# KiCad board sun3_60.kicad_pcb (continued)
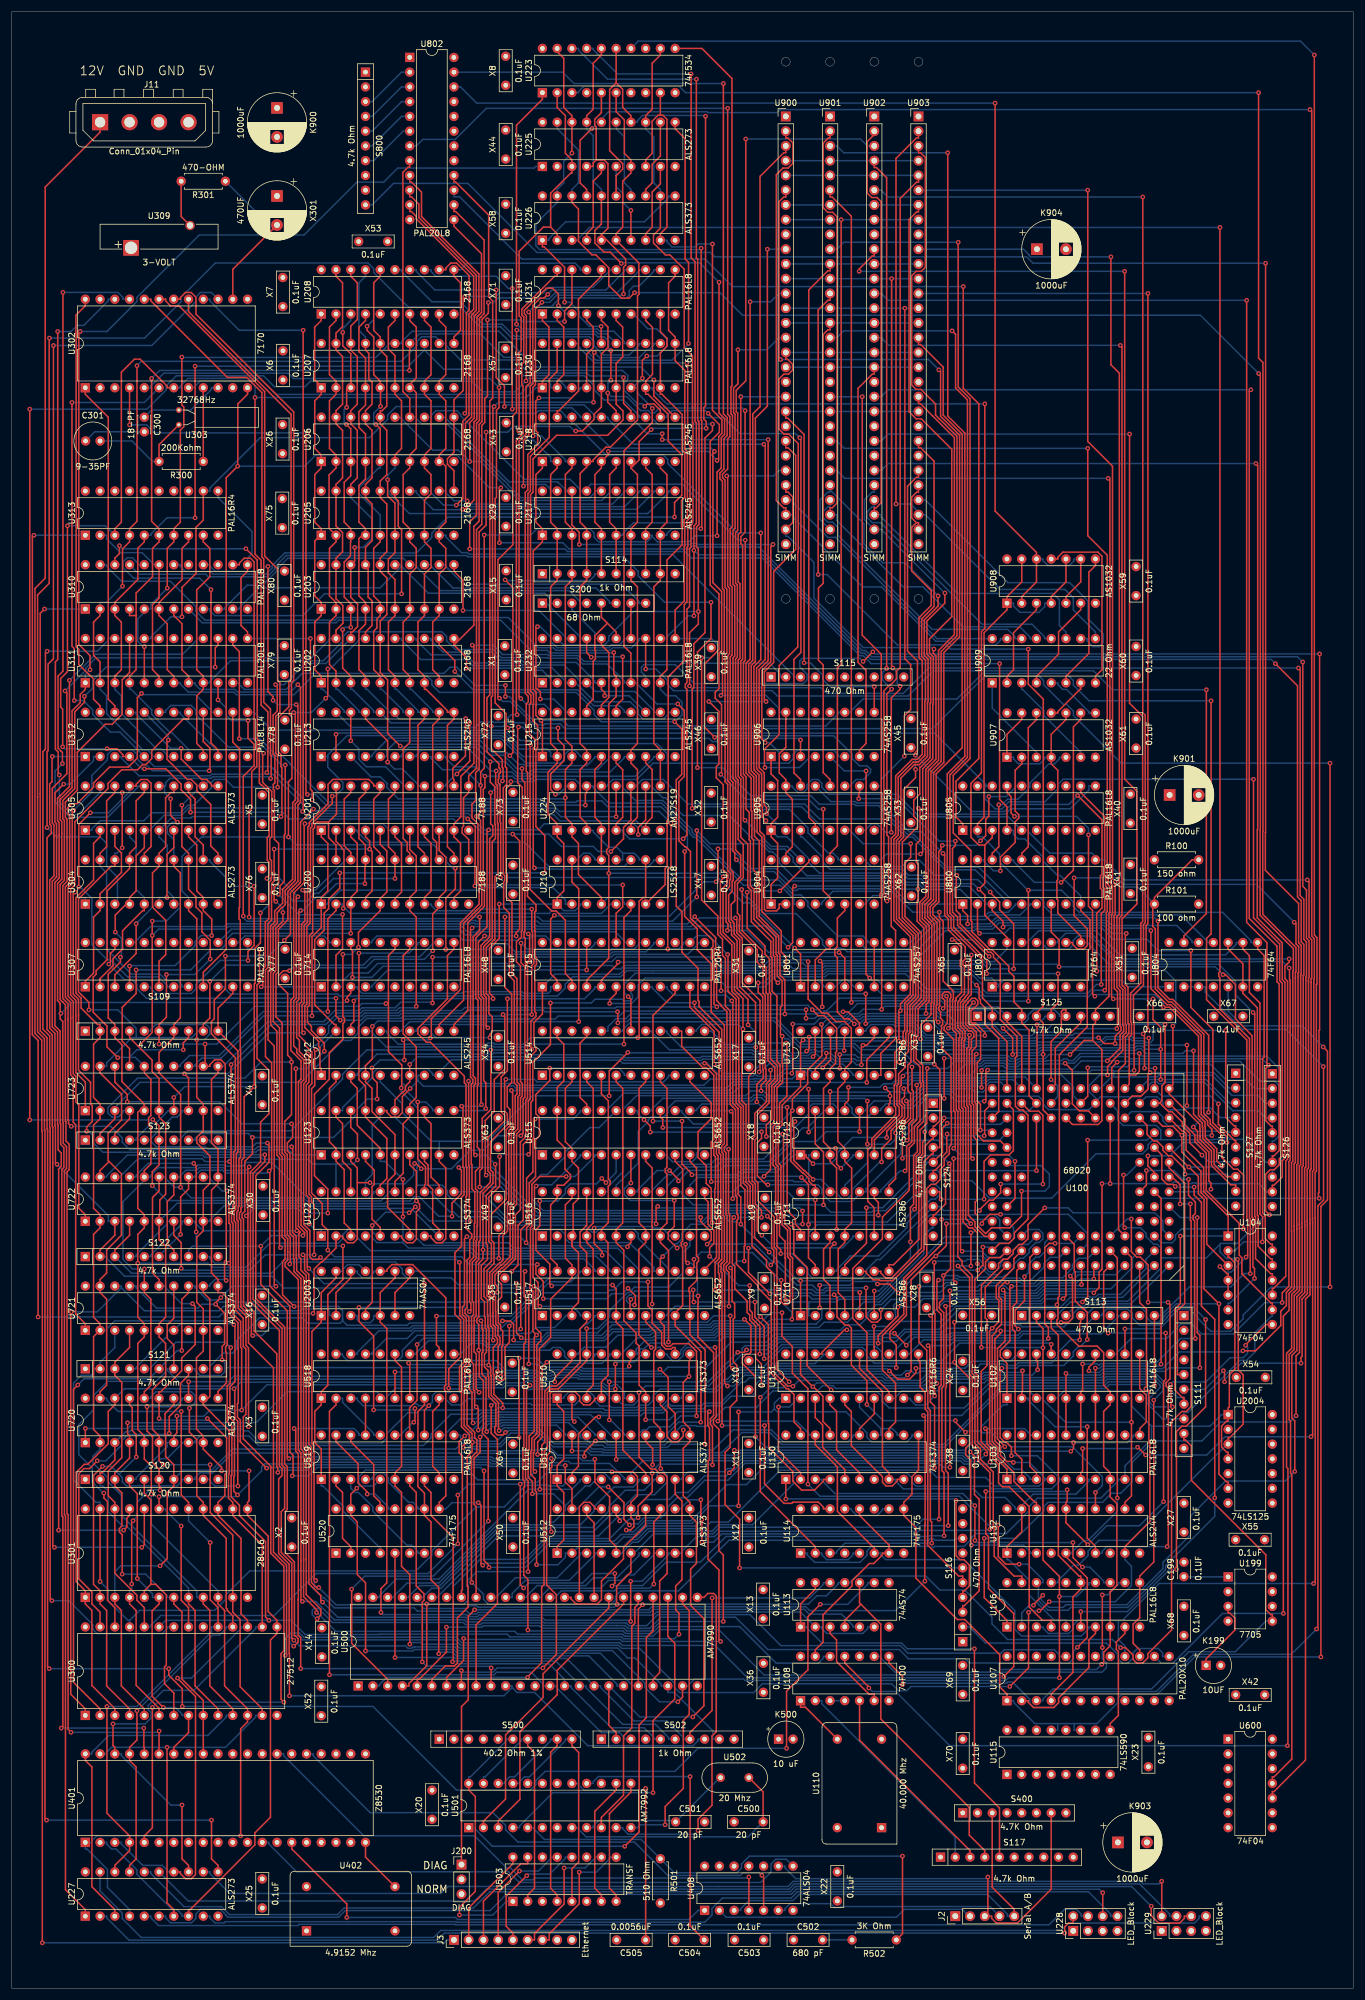
[diagram p0: board, top side]
## Routing (per net, layer and track width the routed paths; a pad name or vN(x,y) marks a point on that pad's centre or on a via; arc(x,y) is an arc through that point) (continued)
/SCSI 2, Parity/IO.D4: length 442
  Top w0.25: v1(25.4,162.59) S109.6 25.4,165.96 26.67,167.23 v1(26.67,174.57) ; U721.12 33.02,119.8 34.15,118.67 34.15,101.92 33.02,100.79 ; v1(29.33,203.72) 29.33,196.59 30.48,195.45 U304.13 30.48,189.24 31.75,187.97 31.75,186.2 32.78,185.18 32.78,181.91 34.22,180.48 v1(34.22,177.23) ; U720.12 33.02,100.79 ; 33.02,100.79 33.02,100.47 37.48,96.01 37.48,88.62 37.36,88.49 37.36,84.43 38.1,83.69 U301.14 38.1,81.43 43.18,76.35 U300.16 ; 33.58,158.76 33.33,159.01 v1(33.33,162.59) ; 33.58,158.76 34.15,158.76 34.15,159.04 34.99,159.89 36.06,159.89 36.8,159.14 36.8,137.6 v1(37.08,137.33) 36.98,137.23 36.98,131.59 36.98,131.59 36.98,125.48 36.68,125.18 36.68,122.17 v1(36.96,121.9) ; 33.58,158.76 U723.12 ; U227.13 30.48,21.18 29.35,22.31 v1(29.35,31.57) ; U122.12 73.66,138.29 72.25,139.7 72.25,148.89 71.12,150.01 U123.13 ; U302.19 26.53,290.84 26.53,290.56 27.37,289.71 28.82,289.71 43.59,274.94 43.59,246.63 45.82,244.4 45.82,225.18 46.21,224.78 46.21,219.74 45.5,219.03 45.5,212.72 45.82,212.4 v1(45.82,206.82) ; v1(17.46,45.54) 17.46,41.82 17.78,41.5 U401.38 ; 64.91,169.58 64.91,161.3 67.2,159.01 67.2,155.12 v1(67.12,155.04) ; 64.91,169.58 64.91,177.82 66.04,178.95 U714.15 ; 64.91,169.58 v1(64.47,169.58)
  Bottom w0.25: v1(29.33,203.72) 31.89,206.28 31.89,207.02 U305.12 33.71,207.71 34.48,207.71 34.93,208.16 36.87,208.16 38.21,206.82 v1(45.82,206.82) ; v1(67.12,155.04) 67.12,154.4 69.99,151.52 69.99,151.14 U123.13 ; v1(64.47,169.58) 60.33,169.58 59.85,169.1 41.87,169.1 35.37,162.59 v1(33.33,162.59) v1(25.4,162.59) ; v1(17.46,45.54) 23,45.54 24.03,46.58 24.03,47.48 23.51,48 23.51,48.68 26.15,51.31 31.41,51.31 42.05,61.96 42.05,62.24 U300.16 ; U722.12 34.15,139.7 34.15,139.42 36.24,137.33 v1(37.08,137.33) ; v1(26.67,174.57) 31.55,174.57 v1(34.22,177.23) ; v1(29.35,31.57) 27.43,31.57 18.91,40.09 18.91,40.38 U401.38 ; v1(36.96,121.9) 36.81,122.05 35.03,122.05 34.15,121.17 34.15,120.93 U721.12
/SCSI 2, Parity/IO.D5: length 445.3
  Top w0.25: v1(25.4,98.13) 25.4,100.47 25.4,100.47 U720.15 25.4,102.73 25.68,102.73 29.29,106.34 29.29,108.53 31.62,110.85 31.62,117.44 v1(31.16,117.9) ; U122.15 66.04,138.92 67.45,140.34 67.45,148.89 68.58,150.01 U123.14 68.58,152.27 69.71,153.39 69.71,162.11 67.45,164.37 67.45,177.82 68.58,178.95 U714.14 ; v1(28.57,200.8) 27.38,201.98 v1(27.38,204.83) ; U304.14 27.94,193.19 29.07,192.07 29.07,167.09 27.94,165.96 S109.7 27.94,163.71 25.4,161.17 U723.15 25.4,157.63 29.11,153.92 v1(29.11,137.94) ; U302.20 23.99,290.84 23.99,290.56 37.17,277.37 40.51,277.37 43.12,274.76 43.12,246.46 43.43,246.15 43.43,221.44 44.59,220.28 44.59,212.34 44.72,212.22 44.72,208.41 v1(44.62,208.32) ; U722.15 25.4,137.31 24.27,136.19 24.27,123.18 25.4,122.05 U721.15 ; v1(28.59,53.43) 28.59,53.36 31.68,50.28 31.68,19.6 30.99,18.9 29.94,18.9 29.07,19.77 29.07,20.06 U227.14 ; U300.17 40.64,63.37 39.51,64.49 39.51,77.48 35.56,81.43 U301.15 35.56,83.69 36.74,84.86 36.74,88.51 37.03,88.8 37.03,94.8 v1(33.72,98.11)
  Bottom w0.25: U401.3 18.91,25.13 18.91,24.85 22.58,21.18 25.97,21.18 26.81,20.34 26.81,20.06 U227.14 ; v1(31.16,117.9) 29.27,117.9 26.53,120.64 26.53,120.93 U721.15 ; v1(28.57,200.8) 27.68,200.8 26.81,199.93 26.81,198.93 27.94,197.81 U304.14 ; U122.15 64.91,137.16 64.91,136.88 63.61,135.57 50.83,135.57 50.3,136.1 30.95,136.1 v1(29.11,137.94) 28,137.94 26.53,139.42 26.53,139.7 U722.15 ; v1(44.62,208.32) 44.33,208.61 34.66,208.61 34.38,208.34 27.26,208.34 26.53,207.6 26.53,207.02 26.35,207.02 ; U305.15 26.35,207.02 ; 26.35,207.02 26.35,205.86 v1(27.38,204.83) ; U300.17 39.51,62.24 39.51,61.96 30.99,53.43 v1(28.59,53.43) ; v1(25.4,98.13) 25.69,97.83 33.45,97.83 v1(33.72,98.11)
/SCSI 2, Parity/IO.D6: length 460.3
  Top w0.25: v1(8.84,292.02) 8.84,226.8 7.99,225.95 7.99,213.54 8.49,213.05 8.75,212.78 v1(8.75,210.88) ; S109.8 30.48,163.71 29.57,162.8 v1(29.57,161.61) ; U723.16 22.86,157.63 23.99,156.51 23.99,150.28 23.6,149.89 23.6,148.64 23.99,148.25 23.99,141.95 22.86,140.83 U722.16 ; U122.16 63.5,138.29 64.64,139.43 64.64,146.33 60.96,150.01 U123.17 60.96,155.33 59.83,156.47 v1(59.83,178.25) ; v1(18.28,160.25) 16.42,162.11 16.42,165.69 14.05,168.06 14.05,174.11 14.56,174.62 14.56,175.23 16.47,177.14 16.47,188.97 20.32,192.83 U304.17 20.32,195.45 21.45,196.58 21.45,204.48 22.86,205.89 U305.16 ; U720.16 22.86,102.73 23.99,103.85 23.99,118.67 22.86,119.8 U721.16 v1(22.86,123.87) ; v1(21.59,47.8) 21.59,42.77 20.32,41.5 U401.37 20.32,39.25 21.45,38.12 21.45,22.31 20.32,21.18 U227.17 ; v1(30.63,99.89) 30.63,95.76 31.89,94.49 31.89,84.81 33.02,83.69 U301.16 33.02,81.43 36.97,77.48 36.97,65.46 37.14,65.3 37.14,65.1 38.1,64.14 U300.18
  Bottom w0.25: v1(18.28,160.25) 18.33,160.3 20.27,160.3 ; v1(21.59,47.8) 34.62,60.83 35.85,60.83 36.97,61.96 36.97,62.24 U300.18 ; v1(29.57,161.61) 21.57,161.61 20.27,160.3 ; v1(22.86,123.87) 20.84,123.87 19.19,125.52 19.19,135.47 23.42,139.7 ; v1(8.75,210.88) 7.48,209.61 7.48,204.3 10.12,201.66 16.59,201.66 21.73,206.81 21.73,207.02 U305.16 ; U722.16 23.42,139.7 ; 23.42,139.7 23.99,139.7 23.99,139.98 25.33,141.32 31.68,141.32 32.13,141.78 36.73,141.78 36.92,141.59 39.82,141.59 40.44,142.21 44.84,142.21 51.02,136.03 61.52,136.03 62.37,136.88 62.37,137.16 U122.16 ; 20.27,160.3 21.32,160.3 U723.16 ; v1(59.83,178.25) 68.45,178.25 69.99,179.79 69.99,180.08 U714.13 ; v1(8.84,292.02) 18.3,292.02 19.19,291.12 19.19,290.84 U302.21 ; v1(30.63,99.89) 31.61,100.87 31.61,102.08 30.96,102.73 24.83,102.73 23.99,101.88 23.99,101.6 U720.16
/SCSI 2, Parity/IO.D7: length 471.7
  Top w0.25: U720.19 15.24,102.73 16.37,103.85 16.37,118.67 15.24,119.8 U721.19 15.24,122.05 16.37,123.18 16.37,127.13 18.91,129.67 18.91,140.24 16.78,142.37 ; v1(13.31,168.48) 13.31,169.78 11.98,171.12 11.53,171.57 11.53,187.59 17.13,193.19 17.78,193.19 U304.18 ; v1(16.42,48.53) 16.42,30.16 20.32,26.26 U401.4 20.32,23.72 17.78,21.18 U227.18 ; U301.17 30.48,83.69 29.22,84.94 v1(29.22,99.33) ; v1(19.05,196.39) v1(19.05,205.89) ; 16.78,142.37 15.24,140.83 U722.19 ; 16.78,142.37 16.63,142.53 16.63,147.23 18.94,149.54 18.94,153.93 15.24,157.63 U723.19 ; v1(7.94,285.28) 7.94,228.8 7.54,228.41 7.54,213.35 8.03,212.87 8.03,209.11 v1(8.22,208.92) ; U123.18 58.42,148.25 59.57,147.1 v1(59.57,142.65) ; U300.19 35.56,65.55 34.2,66.91 v1(34.2,76.76) ; v1(34.15,173.39) 34.15,167.09 33.02,165.96 S109.9
  Bottom w0.25: v1(19.05,196.39) 18.11,195.45 17.78,195.45 U304.18 ; U302.22 16.65,290.84 16.65,290.56 12.43,286.33 11.3,286.33 10.24,285.28 v1(7.94,285.28) ; 21.46,163.7 21.46,165.31 18.29,168.48 v1(13.31,168.48) ; 21.46,163.7 31.04,163.7 31.89,164.55 31.89,164.84 S109.9 ; 21.46,163.7 20.71,163.7 16.37,159.37 16.37,158.76 U723.19 ; v1(8.22,208.92) 8.22,204.28 10.39,202.11 11.46,202.11 15.24,205.89 ; v1(59.57,142.65) 58.85,141.92 55.88,141.92 ; v1(34.15,173.39) 36.95,176.19 60.57,176.19 62.02,177.64 70.31,177.64 72.53,179.86 72.53,180.08 U714.12 ; v1(34.2,76.76) 30.48,80.48 U301.17 ; 15.24,205.89 U305.19 ; 15.24,205.89 v1(19.05,205.89) ; 55.88,141.92 U122.19 ; 55.88,141.92 51.89,141.92 51.08,142.74 43.37,142.74 43.01,143.09 33.24,143.09 32.84,143.5 19.96,143.5 16.37,139.9 16.37,139.7 U722.19 ; U720.19 16.37,101.6 16.37,101.32 18.35,99.33 v1(29.22,99.33) ; U300.19 34.43,62.24 34.43,61.39 21.58,48.53 v1(16.42,48.53)
/SCSI 2, Parity/PAR0-: length 42.8
  Top w0.25: U715.11 116.84,168.97 121.01,164.8 v1(121.01,159.14)
  Bottom w0.25: U713.5 144.94,157.22 144.94,157.41 143.19,159.16 141.71,159.16 141.16,159.7 130.12,159.7 129.67,159.25 129.19,159.25 127.47,157.53 122.62,157.53 v1(121.01,159.14)
/SCSI 2, Parity/PAR1-: length 74.4
  Top w0.25: v1(117.19,140.08) 117.19,140.24 115.49,141.95 v1(115.49,149.33) ; v1(141.93,144.65) 142.12,144.46 142.12,141.94 v1(142.84,141.21) ; U715.10 114.3,171.33 110.48,167.51 v1(110.48,149.33)
  Bottom w0.25: v1(142.84,141.21) 144.94,143.31 144.94,143.52 U712.5 ; v1(117.19,140.08) 124.95,140.08 125.87,141 131.32,141 134.97,144.65 v1(141.93,144.65) ; v1(115.49,149.33) v1(110.48,149.33)
/SCSI 2, Parity/PAR2-: length 75.7
  Top w0.25: v1(125.6,131.58) 125.6,136.26 125.16,136.7 125.16,151.47 125.13,151.5 124.23,152.4 124.23,169.85 v1(124.06,170.03)
  Bottom w0.25: U711.5 144.94,129.54 144.94,129.31 143.12,127.5 129.69,127.5 v1(125.6,131.58) ; U715.9 112.89,172.46 112.89,172.17 114.04,171.02 123.07,171.02 v1(124.06,170.03)
/SCSI 2, Parity/PAR3-: length 91.1
  Top w0.25: U710.5 146.06,116.97 146.11,117.02 v1(146.11,119.83) ; v1(117.62,169.71) 117.62,168.91 121.87,164.66 121.87,157.96 121.87,157.95 121.87,151.44 121.87,151.44 121.87,145.82 121.41,145.36 121.41,143.64 121.7,143.36 121.7,132.7 121.88,132.52 121.88,131.51 121.88,131.5 121.88,131.44 121.88,125.67 121.19,124.98 v1(121.19,120.22)
  Bottom w0.25: U715.8 110.35,172.46 110.35,172.27 112.9,169.71 v1(117.62,169.71) ; v1(121.19,120.22) 130.22,120.22 130.32,120.32 137.97,120.32 138.51,119.77 140,119.77 140.39,120.16 145.78,120.16 v1(146.11,119.83)
/SCSI 2, Parity/PAR.CHK-: length 34.9
  Bottom w0.25: U715.23 92.85,180.08 92.85,180.33 91.98,181.2 89.67,181.2 89.24,180.78 87.52,180.78 87.22,180.48 77.79,180.48 77.07,181.2 62.93,181.2 62.09,180.36 62.09,180.08 U714.17
/SCSI 2, Parity/PAR.ERR-: length 44.1
  Top w0.25: U715.21 v1(99.06,175.35)
  Bottom w0.25: v1(99.06,175.35) 64.81,175.35 62.09,172.64 62.09,172.46 U714.4
/SCSI 2, Parity/PAR.IRQ-: length 18.9
  Bottom w0.25: U307.14 39.23,180.08 39.23,180.26 40.17,181.2 53.81,181.2 54.75,180.26 54.75,180.08 U714.19
/SCSI 2, Parity/PAR.SAMPLE: length 150.9
  Top w0.25: U720.11 35.56,102.8 37,104.24 37,109.48 36.86,109.62 36.86,110.49 37.14,110.76 37.14,118.9 36.24,119.8 35.56,119.8 U721.11 35.56,122.05 34.43,123.18 34.43,137.45 35.56,138.57 U722.11 35.56,144.47 34.43,145.59 34.43,156.51 35.56,157.63 U723.11 ; v1(72.51,169.66) v1(72.51,177.56)
  Bottom w0.25: U715.16 110.63,180.08 110.63,179.81 109.31,178.49 103.61,178.49 103.16,178.04 86.45,178.04 85.96,177.56 v1(72.51,177.56) ; U723.11 36.69,158.76 36.69,159.01 44.14,166.47 53.77,166.47 55.69,168.38 59.93,168.38 60.38,168.84 66.07,168.84 67.05,169.82 72.35,169.82 v1(72.51,169.66)
/SCSI 2, Parity/PAR.TEST-: length 155.3
  Top w0.25: v1(58.72,174.08) 58.72,178.65 58.42,178.95 U714.18 ; v1(137.21,176.78) 137.21,170.34 139.62,167.93 140.53,167.93 141.97,166.49 143.47,166.49 144.66,165.3 144.66,159.47 143.53,158.34 U713.4 143.53,156.09 142.33,154.89 142.33,145.84 143.53,144.65 U712.4 143.53,142.39 144.7,141.22 144.7,131.84 143.53,130.67 U711.4 143.53,128.41 142.4,127.29 142.4,119.76 143.53,118.63 U710.4
  Bottom w0.25: v1(137.21,176.78) 136.9,177.09 130.55,177.09 129.6,176.13 105.57,176.13 104.97,175.53 103.99,175.53 103.4,176.12 97.51,176.12 97.37,175.98 63.96,175.98 62.06,174.08 v1(58.72,174.08)
/SCSI 2, Parity/RD.PAR0-: length 142.6
  Top w0.25: v1(47.14,210.66) 47.14,198.73 46.96,198.55 46.96,190.57 46.23,189.84 46.23,188.66 v1(45.96,188.38) ; U714.2 55.88,177.88 57.01,179.01 v1(57.01,184.92)
  Bottom w0.25: U312.19 26.53,219.72 26.53,220 27.42,220.9 30.94,220.9 31.75,220.09 31.75,219.34 37.38,213.72 43.44,213.72 46.5,210.66 v1(47.14,210.66) ; v1(45.96,188.38) 49.48,184.86 56.95,184.86 v1(57.01,184.92) ; U715.13 118.25,180.08 118.25,179.83 116.47,178.04 103.79,178.04 103.34,177.59 86.93,177.59 85.82,176.48 63.07,176.48 61.42,174.83 58.44,174.83 57.01,173.39 57.01,172.46 U714.2
/SCSI 2, Parity/RD.PAR4-: length 80.5
  Top w0.25: U312.17 30.48,218.59 29.63,218.59 24.13,213.1 24.13,211.73 23.11,210.71 22.57,210.71 21.69,209.83 18.97,209.83 16.61,207.47 16.61,206.59 10.9,200.88 10.9,190.03 10.17,189.31 10.17,171.01 11.07,170.11 11.07,167.42 11.07,167.41 11.07,157.67 12.7,156.05 U723.1
/SCSI 2, Parity/RD.PAR5-: length 114.8
  Top w0.25: v1(10.7,202.84) 10.45,202.59 10.45,190.22 9.72,189.49 9.72,170.82 10.62,169.92 10.62,167.23 10.62,167.23 10.62,157.48 11.06,157.04 11.06,152.65 11.57,152.14 11.57,134.33 12.7,133.21 U722.1 ; U312.16 33.02,214.69 34.17,213.54 34.17,209.79 v1(34.03,209.65)
  Bottom w0.25: v1(10.7,202.84) 13.83,205.97 13.83,208.85 16.51,211.54 16.51,212.43 17.34,213.26 20.82,213.26 21.59,212.49 21.59,211.76 22.64,210.71 23.18,210.71 24.24,209.65 v1(34.03,209.65)
/SCSI 2, Parity/RD.PAR6-: length 133.8
  Top w0.25: v1(22.38,222.97) 21.66,222.25 21.66,211.85 20.09,210.28 16.86,210.28 14.11,207.53 14.11,206.83 11.27,203.99 10.39,203.99 9.72,203.32 9.72,202.14 9.99,201.87 9.99,198.27 10,198.27 10,190.41 9.27,189.68 9.27,170.63 10.17,169.73 10.17,167.04 10.17,167.04 10.17,157.3 10.61,156.85 10.61,149.12 11.03,148.7 11.03,116.1 12.7,114.43 U721.1
  Bottom w0.25: v1(22.38,222.97) 22.6,222.75 31.68,222.75 34.43,220 34.43,219.72 U312.15
/SCSI 2, Parity/RD.PAR7-: length 155.5
  Top w0.25: v1(12.7,96.41) U720.1 ; v1(40.8,96.71) 40.8,110.29 40.35,110.74 40.35,115.81 39.04,117.12 39.04,132.09 38.79,132.34 38.79,133.69 39.04,133.94 39.04,134.53 39.16,134.65 39.16,142.78 39.44,143.05 39.44,161.59 39.39,161.64 39.39,183.95 39.18,184.16 39.18,186.03 39.27,186.12 39.27,213.41 38.1,214.58 U312.14
  Bottom w0.25: v1(40.8,96.71) 40.72,96.79 20.45,96.79 20.07,96.41 v1(12.7,96.41)
/SCSI 2, Parity/WR.PAR0-: length 70.8
  Top w0.25: v1(43,172.46) 43.27,172.73 43.27,175.52 43.7,175.95 43.7,183.58 44.32,184.2 44.32,190.42 44.71,190.81 44.71,191.26 44.77,191.32 44.77,194.17 44.48,194.46 44.48,197.96 44.81,198.3 44.81,206.09 43.24,207.66 43.24,212.5 v1(43.41,212.67)
  Bottom w0.25: v1(43,172.46) U714.1 ; U312.18 29.07,219.72 29.07,219.44 35.24,213.26 42.82,213.26 v1(43.41,212.67)
/SCSI 2, Parity/WR.PAR4-: length 96.2
  Top w0.25: v1(89.41,214.12) 89.32,214.03 89.32,189.23 93.05,185.5 93.8,185.5 95.39,183.91 95.39,174.71 96.52,173.58 U715.3
  Bottom w0.25: U312.13 41.77,219.72 44.83,216.65 63.87,216.65 63.92,216.61 84.85,216.61 87.33,214.12 v1(89.41,214.12)
/SIMMs 1/CE00-: length 15.8
  Top w0.25: U909.2 171.47,225.91 172.59,227.04 172.59,233.42 176.55,237.37 U908.3
/SIMMs 1/CE01-: length 16.9
  Top w0.25: U909.4 176.55,225.91 180.35,229.72 180.35,233.56 184.16,237.37 U908.6
/SIMMs 1/CE02-: length 23.4
  Top w0.25: U909.6 181.62,225.91 185.58,229.87 185.58,243.86 186.71,244.99 U908.8
/SIMMs 1/CE03-: length 32
  Top w0.25: U909.8 186.71,225.91 187.83,227.04 187.83,246.59 187.14,247.29 181.1,247.29 180.21,246.4 180.21,246.12 U908.11
/SIMMs 1/M.A0.0: length 168.3
  Top w0.25: v1(150.74,227.28) 150.74,311.76 148.97,313.52 148.6,313.52 U902.4 ; v1(150.8,187.22) 151.07,187.48 151.07,198.3 150.78,198.59 150.78,222.89 v1(151.6,223.71)
  Bottom w0.25: v1(150.74,227.28) 150.02,226.57 150.02,225.28 v1(151.6,223.71) ; v1(150.8,187.22) 151.1,187.51 151.1,188.51 150.72,188.89 141.48,188.89 139.57,186.98 139.57,186.7 U904.4 ; U900.4 U901.4 U902.4 U903.4
/SIMMs 1/M.A1.0: length 154.7
  Top w0.25: U903.5 156.22,310.98 155.86,310.98 153.08,308.2 153.08,227.45 152.42,226.79 152.42,225.46 151.38,224.43 151.27,224.43 150.26,223.42 150.26,188.23 v1(150.33,188.16)
  Bottom w0.25: U900.5 U901.5 U902.5 U903.5 ; v1(150.33,188.16) 148.37,188.16 147.19,186.98 147.19,186.7 U904.7
/SIMMs 1/M.A2.0: length 150.2
  Top w0.25: U903.7 156.22,305.9 155.92,305.9 154.59,304.57 154.59,271.48 155.82,270.25 156.71,270.25 161.95,265 161.95,236.19 158.12,232.36 158.12,229.9 158.78,229.25 158.78,221.15 158.67,221.05 158.67,211.72 158.24,211.29 158.24,211.29 156.94,210 156.94,195.69 v1(156.57,195.32)
  Bottom w0.25: U903.7 U902.7 U901.7 U900.7 ; v1(156.57,195.32) 150.73,195.32 149.73,194.32 U904.9
/SIMMs 1/M.A3.0: length 133.9
  Top w0.25: v1(142.9,304.54) 142.9,228 142.25,227.36 142.25,196.72 140.99,195.45 U904.12
  Bottom w0.25: U900.8 U901.8 v1(142.9,304.54) U902.8 U903.8
/SIMMs 1/M.A4.0: length 122.6
  Top w0.25: U905.4 138.44,200.53 137.32,201.65 137.32,292.44 140.62,295.74 140.99,295.74 U901.11
  Bottom w0.25: U900.11 U901.11 U902.11 U903.11
/SIMMs 1/M.A5.0: length 126.1
  Top w0.25: v1(151.54,199.05) 151.54,222.19 153.06,223.71 v1(153.06,224.22) ; v1(151.81,227.36) 151.59,227.57 v1(151.59,294.38)
  Bottom w0.25: U900.12 U901.12 U902.12 v1(151.59,294.38) U903.12 ; v1(153.06,224.22) 152.56,224.73 152.56,226.61 v1(151.81,227.36) ; v1(151.54,199.05) 150.55,199.05 149.07,200.53 148.14,200.53 147.19,199.58 147.19,199.4 U905.7
/SIMMs 1/M.A6.0: length 108.8
  Top w0.25: v1(153.79,212.17) 153.79,219.1 154.87,220.18 154.87,227.93 153.87,228.93 v1(153.87,289.3)
  Bottom w0.25: v1(153.79,212.17) 149.73,208.12 149.73,207.02 U905.9 ; U900.14 U901.14 U902.14 v1(153.87,289.3) U903.14
/SIMMs 1/M.A7.0: length 104.5
  Top w0.25: U901.15 140.99,285.58 140.62,285.58 139.81,284.77 139.81,241.94 138.99,241.12 138.99,228.68 139.81,227.86 139.81,209.32 140.99,208.15 U905.12
  Bottom w0.25: U903.15 U902.15 U901.15 U900.15
/SIMMs 1/M.A8.0: length 110.4
  Top w0.25: U900.17 133.37,280.5 133.67,280.5 134.54,279.62 134.54,278.65 133.85,277.96 133.04,277.96 132.19,277.1 132.19,268.49 133.06,267.61 133.86,267.61 135.51,265.96 135.51,247.38 135.43,247.3 135.43,230.98 132.24,227.79 132.24,215.9 129.69,213.35 129.69,210.3 v1(129.79,210.2)
  Bottom w0.25: U906.4 137.32,212.1 137.32,211.82 135.7,210.2 v1(129.79,210.2) ; U900.17 U901.17 U902.17 U903.17
/SIMMs 1/M.A9.0: length 92.3
  Top w0.25: U902.18 148.6,277.96 148.27,277.96 145.81,275.49 145.81,228.32 147.19,226.93 147.19,214.35 146.06,213.23 U906.7
  Bottom w0.25: U903.18 U902.18 U901.18 U900.18
/SIMMs 1/M.CE00-: length 117.6
  Top w0.25: U900.28 133.37,254.91 133,254.91 131.74,256.17 131.74,312.28 132.88,313.43 133.76,313.43 134.58,314.25 134.58,317.75 133.73,318.6 133.37,318.6 U900.2
  Bottom w0.25: U909.15 170.34,232.41 170.34,232.13 169.49,231.28 161.9,231.28 161.22,231.96 159.2,231.96 149.86,241.3 146.61,241.3 134.54,253.37 134.54,253.74 U900.28
/SIMMs 1/M.CE01-: length 114
  Top w0.25: U901.2 140.99,318.6 140.69,318.6 139.81,317.72 139.81,306.58 140.59,305.81 141.44,305.81 142.17,305.07 142.17,255.74 141.35,254.91 140.99,254.91 U901.28
  Bottom w0.25: U909.13 175.42,232.41 175.42,232.69 173.67,234.44 163.86,234.44 156.97,241.33 153.55,241.33 142.16,252.72 142.16,253.74 U901.28
/SIMMs 1/M.CE02-: length 114.1
  Top w0.25: U902.28 148.6,254.91 148.91,254.91 149.78,255.79 149.78,307.64 149.08,308.35 148.17,308.35 147.39,309.13 147.39,317.97 148.6,319.19 U902.2
  Bottom w0.25: U909.11 181.62,233.53 180.5,234.66 180.5,239.08 179.4,240.18 162.95,240.18 149.78,253.35 149.78,253.74 U902.28
/SIMMs 1/M.CE03-: length 112.3
  Top w0.25: U903.2 156.22,318.6 155.86,318.6 152.35,315.09 v1(152.35,255.58)
  Bottom w0.25: 156.7,253.74 154.85,255.58 v1(152.35,255.58) ; 156.7,253.74 157.4,253.74 170.27,240.87 181.43,240.87 182.9,239.41 182.9,237.34 186.71,233.53 U909.9 ; 156.7,253.74 U903.28
/SIMMs 1/M.RE00-: length 45.7
  Bottom w0.25: U900.27 134.54,256.27 134.54,255.89 140.6,249.83 141.96,249.83 159.39,232.41 U909.16
/SIMMs 1/M.RE01-: length 47.5
  Bottom w0.25: U901.27 140.99,255.1 140.62,255.1 139.76,254.24 139.76,253.26 140.56,252.47 141.4,252.47 142.32,251.54 142.32,250.24 158.58,233.99 171.58,233.99 172.88,232.69 172.88,232.41 174,232.41
/SIMMs 1/M.RE02-: length 44.2
  Bottom w0.25: U909.12 177.96,232.41 177.96,232.69 175.76,234.89 167.17,234.89 149.69,252.37 148.27,252.37 147.38,253.26 147.38,254.24 148.24,255.1 148.6,255.1 U902.27
/SIMMs 1/M.RE03-: length 49.6
  Bottom w0.25: U903.27 157.4,256.27 171.64,242.04 182.25,242.04 185.44,238.86 185.44,235.8 188.06,233.17 188.06,231.75 187.32,231.01 186.28,231.01 185.29,232 185.29,232.41 184.16,232.41
/SIMMs 1/M.WE.0-: length 86.3
  Top w0.25: v1(136.51,228.24) 136.51,267.56 133.73,270.34 133.37,270.34 U900.21 ; U906.9 v1(148.6,224.13)
  Bottom w0.25: v1(148.6,224.13) 140.98,224.13 139.72,225.4 139.72,226.12 137.59,228.24 v1(136.51,228.24) ; U903.21 U902.21 U901.21 U900.21
/SIMMs 1/XE00-: length 16.1
  Bottom w0.25: U907.3 176.55,213.1 176.26,213.1 168.93,220.44 U909.1
/SIMMs 1/XE01-: length 17.3
  Bottom w0.25: 174,224.79 174,223.66 174.15,223.66 177.81,219.99 177.81,219.17 183.88,213.1 184.16,213.1 U907.6
/SIMMs 1/XE02-: length 10.1
  Bottom w0.25: U907.8 185.58,219.59 185.58,219.81 181.72,223.66 181.06,223.66 180.21,224.51 180.21,224.79 U909.5
/SIMMs 1/XE03-: length 8
  Top w0.25: 184.16,224.79 184.16,223.66 184.04,223.66 180.21,219.83 180.21,219.59 U907.11
/SIZ0: length 314.1
  Top w0.25: v1(59.83,117.26) 59.83,114.84 62.36,112.31 v1(62.36,99.6) ; v1(203.56,148.31) 204.28,147.59 204.28,146.49 204.28,146.49 204.28,145.97 206.24,144.01 206.24,139.02 206.6,138.65 v1(206.6,137.61) ; v1(69.48,99.86) 69.48,97.68 v1(69.28,97.48) ; v1(134.89,189.79) 134.54,189.43 134.54,180.03 v1(133.76,179.26) ; U800.1 163.84,185.57 164.68,184.74 v1(164.68,183.28) ; v1(79.32,182.58) 79.05,182.31 79.05,156.92 79.45,156.52 79.45,155.92 79.18,155.65 79.18,141.93 79.3,141.81 79.3,137.64 79.79,137.16 79.79,131.8 79.72,131.74 79.72,129.06 79.57,128.91 79.57,125.87 78.91,125.2 78.91,123.52 78.91,123.52 78.91,118.14 79.12,117.93 79.12,116.8 v1(78.84,116.52) ; v1(206.2,150.85) 206.2,164.12 200.04,170.28 199.48,170.28 197.48,172.28 v1(197.48,183.79)
  Bottom w0.25: v1(62.36,99.6) 69.22,99.6 v1(69.48,99.86) ; v1(164.68,183.28) 164.68,183.28 168.49,183.28 169.58,184.37 196.89,184.37 v1(197.48,183.79) ; v1(133.76,179.26) 130.1,182.91 118.12,182.91 117.59,182.38 90.29,182.38 89.83,182.84 88.87,182.84 88.87,182.84 79.57,182.84 v1(79.32,182.58) ; U519.15 67.17,95.26 67.17,95.49 69.15,97.48 v1(69.28,97.48) ; U100.66 206.16,137.16 v1(206.6,137.61) ; v1(134.89,189.79) 151.55,189.79 154.64,186.7 U800.1 ; v1(59.83,117.26) 78.11,117.26 v1(78.84,116.52) ; v1(203.56,148.31) 206.11,150.85 v1(206.2,150.85)
/SIZ1: length 305
  Top w0.25: v1(209.37,145.65) 209.37,146.62 206.92,149.06 206.92,165.12 203.14,168.9 v1(203.14,178.69) ; U100.80 196.87,140.47 195.74,141.59 v1(195.74,143.34) ; U800.2 166.38,182.01 v1(166.74,181.65) ; v1(82.97,111.59) 82.88,111.68 82.88,113.67 82.49,114.06 82.49,116.14 82.45,116.17 82.45,118.7 81.96,119.2 81.95,119.2 81.89,119.27 81.89,123.61 83.1,124.82 83.1,128.36 82.65,128.81 82.65,133.32 85.18,135.85 85.18,147.86 85.71,148.39 85.71,148.39 85.85,148.52 85.85,151.34 85.38,151.81 85.38,155.23 86.14,155.99 86.14,171.2 84.97,172.36 v1(84.97,184.47) ; v1(69.85,110.86) 69.85,101.25 68.56,99.96 68.56,96.41 68.58,96.39 U519.14 ; v1(118.03,187.92) v1(118.03,199.35)
  Bottom w0.25: U800.2 165.26,186.7 165.26,187.39 163.44,189.2 157.21,189.2 156.43,189.99 153.92,189.99 152.78,191.14 134.91,191.14 132.24,193.81 132.24,194.54 131.07,195.71 130.48,195.71 129.11,197.08 120.3,197.08 v1(118.03,199.35) ; v1(209.37,145.65) 201.82,145.65 199.51,143.34 v1(195.74,143.34) ; v1(84.97,184.47) 90.74,184.47 91.47,183.74 113.85,183.74 v1(118.03,187.92) ; v1(166.74,181.65) 171.03,181.65 171.93,182.56 187.83,182.56 189.75,180.64 195.57,180.64 197.52,178.69 v1(203.14,178.69) ; v1(69.85,110.86) 70.94,111.95 82.61,111.95 v1(82.97,111.59)
/sun3_60_cpu/BACK-: length 55.7
  Bottom w0.25: U131.13 152.08,109.22 152.08,109.78 154.88,112.57 160.64,112.57 160.64,112.57 161.62,112.57 161.95,112.9 169.26,112.9 169.66,113.3 169.66,113.51 170.4,114.25 173.73,114.25 174.07,113.91 181.28,113.91 182.93,115.55 182.93,116.22 183.71,117.01 184.96,117.01 185.62,117.66 187.29,117.66 187.51,117.88 192.82,117.88 U100.1
/sun3_60_cpu/BERR.P-: length 436.5
  Top w0.25: v1(117.54,236.33) v1(117.54,247.59) 117.54,251.81 117.96,252.24 117.96,269.55 117.74,269.78 117.74,272.59 117.73,272.59 117.73,297.3 117.05,297.98 v1(117.05,329.63) ; v1(177.63,67.68) 176.02,66.07 v1(176.02,65.96) ; v1(221.04,89) 221.04,97.7 220.53,98.21 220.53,108.96 221.41,109.84 221.41,119.1 222.31,120 222.31,131.1 222.3,131.11 222.3,131.75 222.28,131.76 222.28,141.42 222.5,141.64 222.5,173.76 222.5,174.4 222.6,174.5 222.6,179.77 222.15,180.22 222.15,187.29 221.51,187.93 221.51,224.28 v1(217.71,228.08)
  Bottom w0.25: v1(117.54,236.33) 116.52,236.33 112.89,232.7 112.89,232.42 U232.12 ; v1(117.54,247.59) 118.29,246.84 129.41,246.84 146.35,229.9 146.91,229.9 147.98,228.83 216.96,228.83 v1(217.71,228.08) ; U106.2 174,64.66 175.31,65.96 v1(176.02,65.96) ; U223.17 100.19,334.02 100.19,333.82 104.37,329.63 v1(117.05,329.63) ; v1(177.63,67.68) 177.34,67.38 177.34,66.95 178.68,65.61 181.18,65.61 181.62,66.05 192.11,66.05 194.22,68.16 194.22,68.16 198.34,72.28 198.34,73.35 203.07,78.09 203.07,81.32 209.11,87.37 219.4,87.37 v1(221.04,89)
/sun3_60_cpu/BERR.T-: length 441.8
  Top w0.25: v1(224.29,69.71) 224.57,70 224.57,132.67 224.54,132.7 224.54,140.49 224.76,140.71 224.76,172.83 224.86,172.92 224.86,180.93 224.41,181.38 v1(224.41,332.89)
  Bottom w0.25: 190.66,63.38 191.35,63.38 197.69,69.71 v1(224.29,69.71) ; 190.66,63.38 183.71,63.38 182.9,62.56 182.9,61.9 182.11,61.11 178.6,61.11 177.67,62.05 177.67,62.24 U106.3 ; 190.66,63.38 190.66,60.06 191.78,58.94 U107.16 ; U223.14 107.94,335.28 222.02,335.28 v1(224.41,332.89)
/sun3_60_cpu/BERR.V-: length 476
  Top w0.25: v1(167.55,77.49) 167.55,67.28 171.47,63.37 U106.1 ; v1(221.26,98.59) 221.26,108.89 221.86,109.49 221.86,118.91 222.76,119.82 222.76,131.28 222.75,131.3 222.75,131.94 222.73,131.95 222.73,141.23 222.96,141.46 222.96,173.57 222.96,174.21 223.05,174.31 223.05,180.18 222.6,180.63 222.6,187.52 221.96,188.16 221.96,227.06 v1(221.68,227.34) ; v1(116.78,224.26) 116.78,233.41 118.3,234.93 v1(118.3,237.07) 118.3,247.86 117.99,248.17 117.99,251.63 118.41,252.05 118.41,269.74 118.19,269.97 118.19,297.74 117.96,297.97 v1(117.96,328.73)